# Altium PCB MB1272C.PcbDoc (part 1 of 10) (continued)
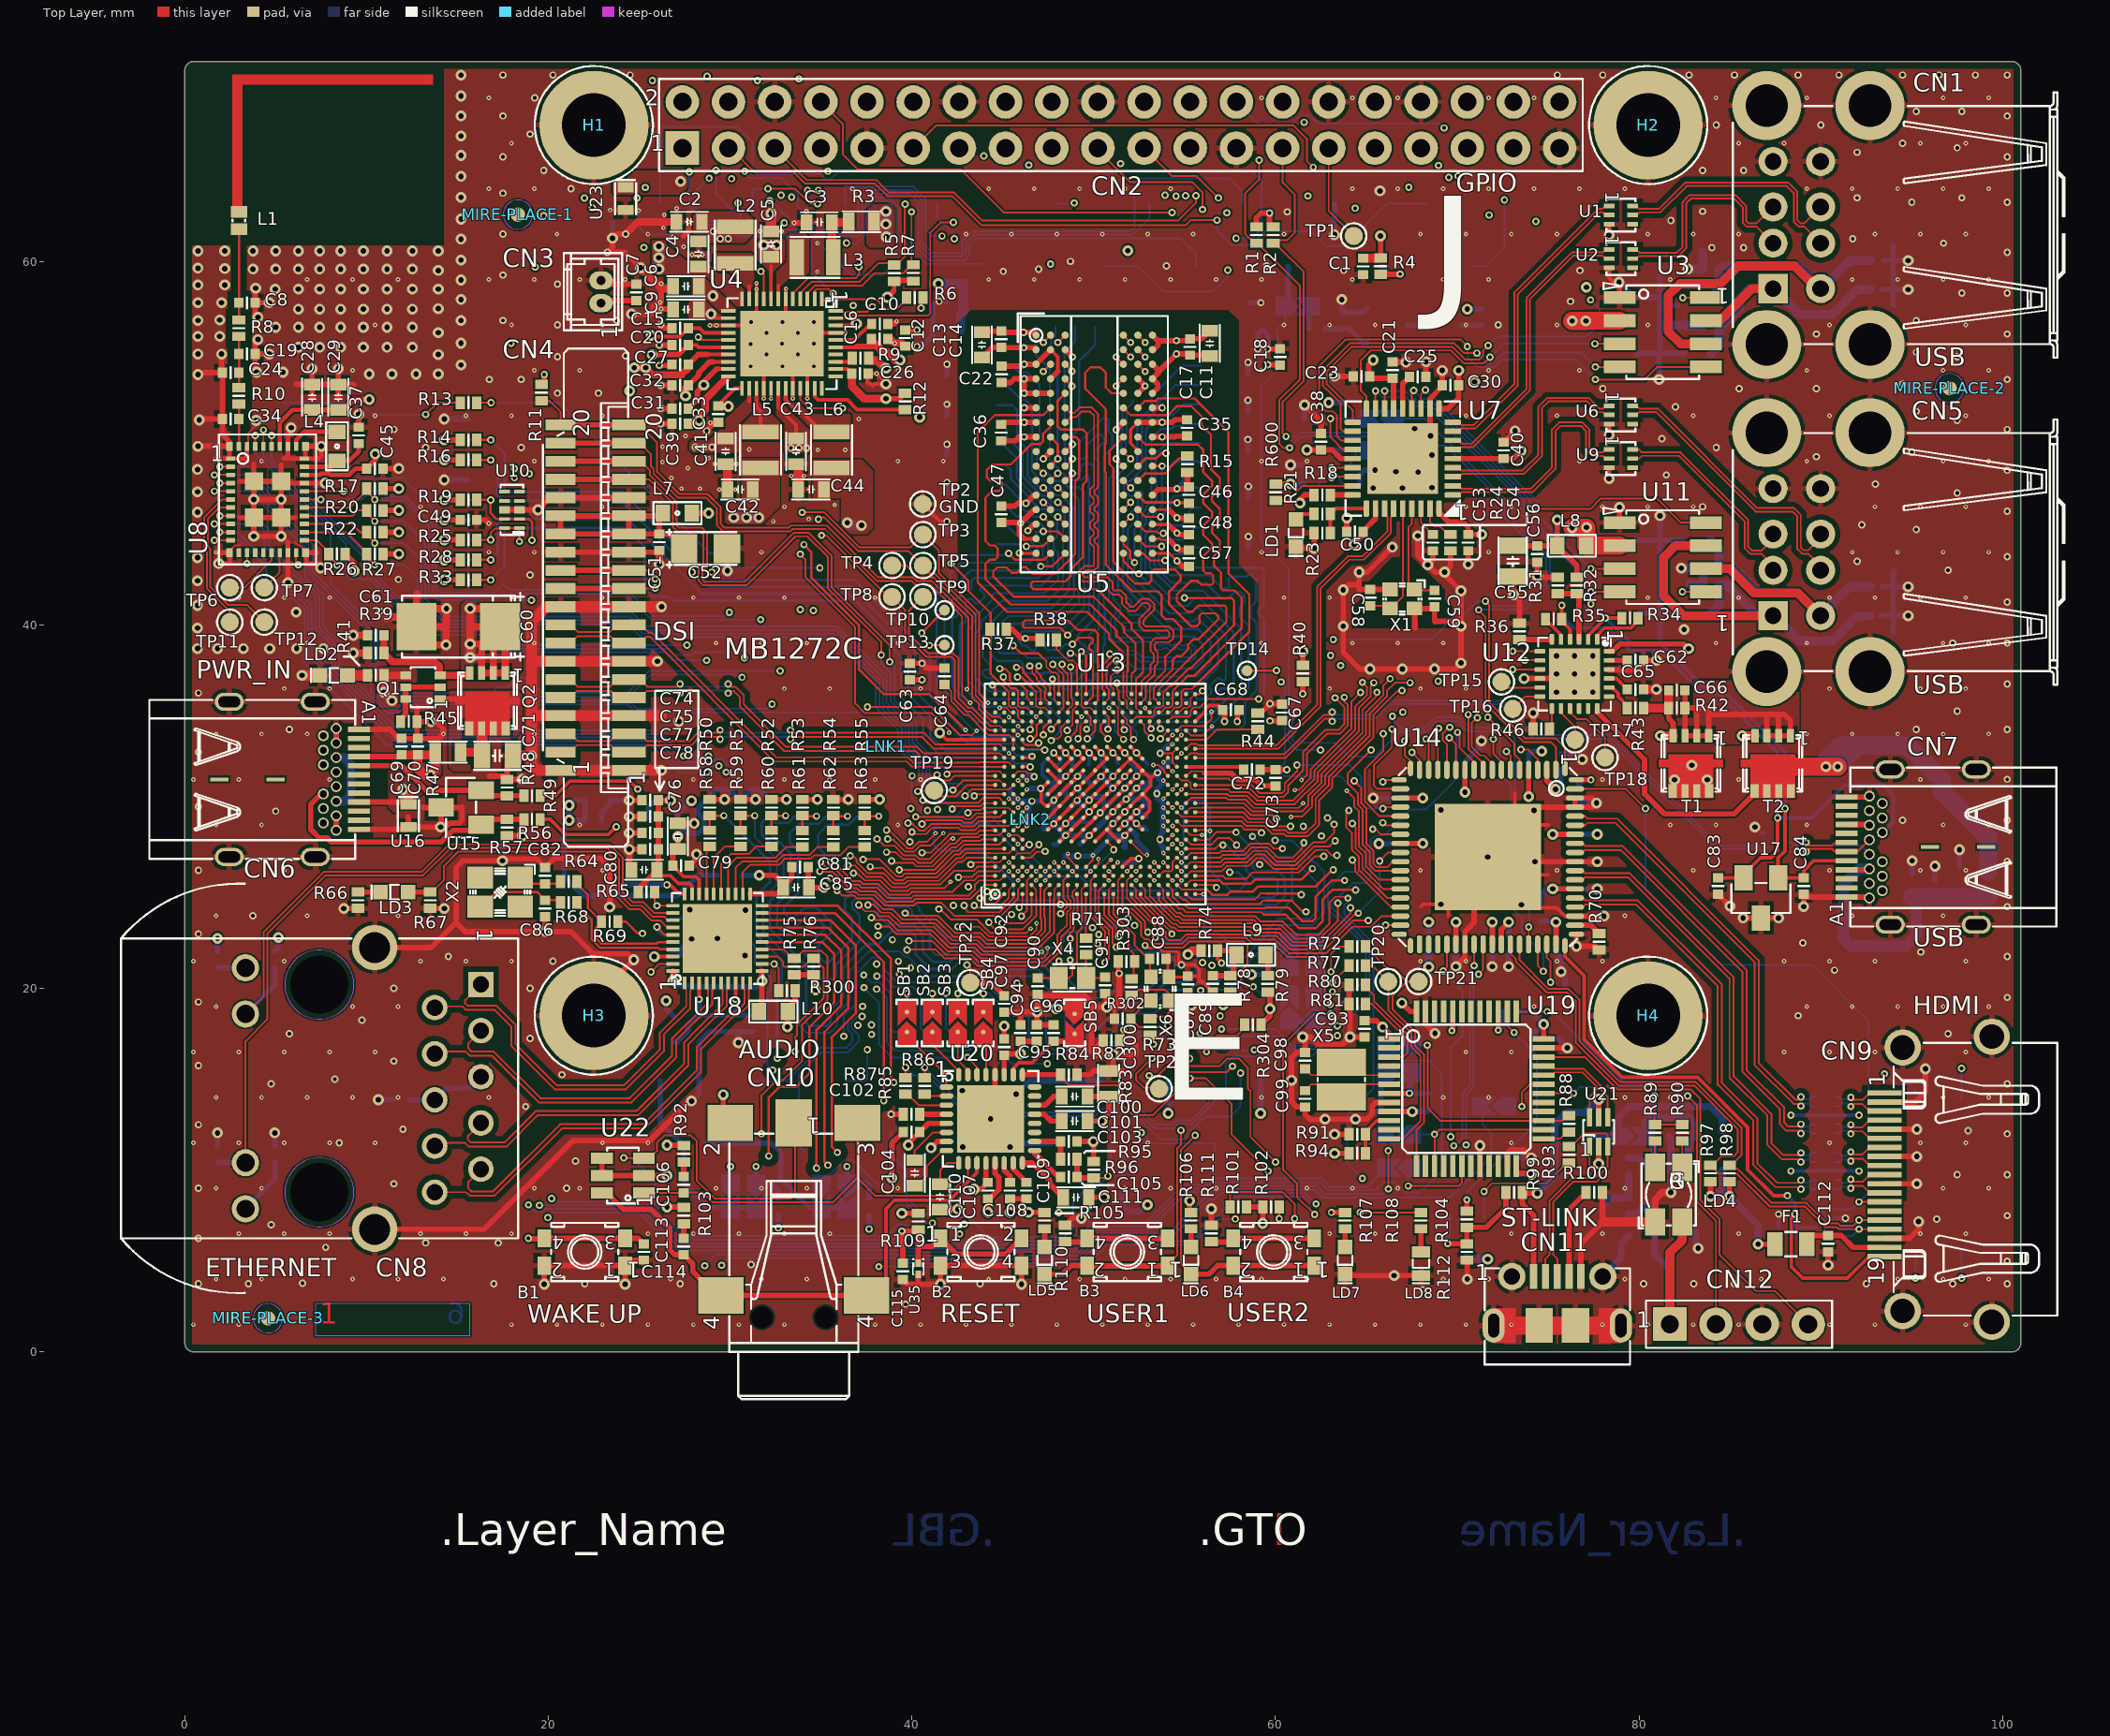
[diagram p0: Top Layer view]
## Design rules (kind name [scope] priority, off if disabled: settings) (continued)
RoutingVias RoutingVias_GND [InNetClass('NC_GND')] p2: holewidth=0.3 width=0.6 viastyle="Through Hole" minholewidth=0.2 minwidth=0.4 maxholewidth=0.3 maxwidth=0.6
RoutingVias RoutingVias_ALIMS [InNetClass('NC_ALIMS')] p3: holewidth=0.3 width=0.6 viastyle="Through Hole" minholewidth=0.2 minwidth=0.4 maxholewidth=0.3 maxwidth=0.6
RoutingVias [All] p4: holewidth=0.2 width=0.4 viastyle="Through Hole" minholewidth=0.2 minwidth=0.4 maxholewidth=0.2 maxwidth=0.4
SilkToSilkClearance [All] p1: silktosilkclearance=0
SilkToSolderMaskClearance [IsPad] p1: minsilkscreentomaskgap=0 clearancetoexposedcopper=TRUE
SolderMaskExpansion [All] p1: expansion=0.05
Width Width_BGA05 [InComponentClass('CC_BGA05')] p1: maxlimit=0.09 minlimit=0.09 preferedwidth=0.09
Width Width_GND [InNetClass('NC_GND')] p2: maxlimit=10 minlimit=0.09 preferedwidth=0.3
Width Width_ALIMS [InNetClass('NC_ALIMS')] p3: maxlimit=10 minlimit=0.09 preferedwidth=0.3
Width Width_SINGLE_55R_DDR [InNetClass('NC_SINGLE_55R_DDR')] p4: maxlimit=10 minlimit=0.09 preferedwidth=0.127 toplayer_prefwidth=0.12 midlayer1_prefwidth=0.12 midlayer3_prefwidth=0.12 midlayer4_prefwidth=0.12 bottomlayer_prefwidth=0.12 minimp=50.000000 maximp=50.000000 favimp=50.000000
Width Width_BUS_50R_SDMMC1_CK [InNetClass('NC_BUS_50R_SDMMC1_CK')] p5: maxlimit=0.13 minlimit=0.09 preferedwidth=0.13
Width Width_BUS_50R_SDMMC1 [InNetClass('NC_BUS_50R_SDMMC1')] p6: maxlimit=10 minlimit=0.09 preferedwidth=0.13
Width Width_ANTENNA_50R_WIFI [InNetClass('NC_ANTENNA_50R_WIFI')] p7: maxlimit=0.13 minlimit=0.13 preferedwidth=0.13
Width Width_BUS_50R_RGMII_ETH-TX [InNetClass('NC_BUS_50R_RGMII_ETH-TX')] p8: maxlimit=10 minlimit=0.09 preferedwidth=0.13
Width Width_BUS_50R_RGMII_ETH-RX [InNetClass('NC_BUS_50R_RGMII_ETH-RX')] p9: maxlimit=10 minlimit=0.09 preferedwidth=0.13
Width Width_BUS_50R_RGMII_ETH-CLK [InNetClass('NC_BUS_50R_RGMII_ETH-CLK')] p10: maxlimit=10 minlimit=0.09 preferedwidth=0.13
Width [All] p11: maxlimit=10 minlimit=0.09 preferedwidth=0.1
15 further rules are at their usual default settings.

## Classes and differential pairs
net class NC_SINGLE_55R_DDR: DDR_A0 DDR_A1 DDR_A2 DDR_A3 DDR_A4 DDR_A5 DDR_A6 DDR_A7 DDR_A8 DDR_A9 DDR_A10 DDR_A11 DDR_A12 DDR_A13 DDR_A14 DDR_BA0 DDR_BA1 DDR_BA2 DDR_CASN DDR_CKE DDR_CSN DDR_DQ0 DDR_DQ1 DDR_DQ2 DDR_DQ3 DDR_DQ4 DDR_DQ5 DDR_DQ6 DDR_DQ7 DDR_DQ8 DDR_DQ9 DDR_DQ10 DDR_DQ11 DDR_DQ12 DDR_DQ13 DDR_DQ14 DDR_DQ15 DDR_DQM0 DDR_DQM1 DDR_ODT DDR_RASN DDR_RESETN DDR_WEN
differential pair class DIFFPAIR_100R_DDR: DDR_CLK DDR_DQS0 DDR_DQS1
net class NC_DIFFPAIR_100R_DDR: DDR_CLK_N DDR_CLK_P DDR_DQS0_N DDR_DQS0_P DDR_DQS1_N DDR_DQS1_P
net class NC_ALIMS: 1V2_CVCC12 1V2_HDMI 1V05_AVDD_GMII 1V05_DVDD_GMII 1V05_GMII 1V8_AUDIO 3V3 3V3_AVDD_GMII 3V3_DVDD_GMII 3V3_HDMI 3V3_IOVCC 3V3_ST_LINK 5V 5V_USB_ST_LINK 5V_VIN NetC66_1 NetC66_2 NetR150_2 VDD VDD_CORE VDD_DDR VDD_USB VDDA VDDA_1V8 VREF+ VREF_DDR VTT_DDR
net class NC_GND: AGND GND
component class CC_BGA05: U13
differential pair class DIFFPAIR_100R_DSI: DSI_CK DSI_D0 DSI_D1
net class NC_DIFFPAIR_100R_DSI: DSI_CK_N DSI_CK_P DSI_D0_N DSI_D0_P DSI_D1_N DSI_D1_P
differential pair class DIFFPAIR_90R_USB: USB1 USB1CN25 USB2 USB2CN25 USB3CN26 USB4CN26 USB_DCONN USB_STLK USBDN1 USBDN2 USBDN3 USBDN4
net class NC_DIFFPAIR_90R_USB: USB1_N USB1_P USB1CN25_N USB1CN25_P USB2_N USB2_P USB2CN25_N USB2CN25_P USB3CN26_N USB3CN26_P USB4CN26_N USB4CN26_P USB_DCONN_N USB_DCONN_P USB_STLK_N USB_STLK_P USBDN1_N USBDN1_P USBDN2_N USBDN2_P USBDN3_N USBDN3_P USBDN4_N USBDN4_P
differential pair class DIFFPAIR_90R_USB_LENGTH: USB1CN25 USB2CN25 USB3CN26 USB4CN26 USBDN1 USBDN2 USBDN3 USBDN4
differential pair class DIFFPAIR_100R_HDMI-TX: TX0 TX0C TX1 TX1C TX2 TX2C TXC TXCC
net class NC_DIFFPAIR_100R_HDMI-TX: TX0_N TX0_P TX0C_N TX0C_P TX1_N TX1_P TX1C_N TX1C_P TX2_N TX2_P TX2C_N TX2C_P TXC_N TXC_P TXCC_N TXCC_P
net class NC_GROUP_LTDC: LTDC_B0 LTDC_B1 LTDC_B2 LTDC_B3 LTDC_B4 LTDC_B5 LTDC_B6 LTDC_B7 LTDC_CLK LTDC_DE LTDC_G0 LTDC_G1 LTDC_G2 LTDC_G3 LTDC_G4 LTDC_G5 LTDC_G6 LTDC_G7 LTDC_HSYNC LTDC_R0 LTDC_R1 LTDC_R2 LTDC_R3 LTDC_R4 LTDC_R5 LTDC_R6 LTDC_R7 LTDC_VSYNC
net class NC_GROUP_I2S2: I2S2_CK I2S2_SDO I2S2_WS
differential pair class DIFFPAIR_100R_HDMI-TX_LENGTH_1-2: TX0 TX1 TX2 TXC
differential pair class DIFFPAIR_100R_HDMI-TX_LENGTH_2-2: TX0C TX1C TX2C TXCC
net class NC_BUS_50R_SDMMC1: SDMMC1_D0 SDMMC1_D1 SDMMC1_D2 SDMMC1_D3
net class NC_BUS_50R_SDMMC1_CK: SDMMC1_CK
net class NC_BUS_50R_SDMMC1_ALL: SDMMC1_CK SDMMC1_D0 SDMMC1_D1 SDMMC1_D2 SDMMC1_D3
net class NC_BUS_50R_RGMII_ETH-TX: ETH_TXD0 ETH_TXD1 ETH_TXD2 ETH_TXD3
net class NC_BUS_50R_RGMII_ETH-RX: ETH_RXD0 ETH_RXD1 ETH_RXD2 ETH_RXD3
net class NC_BUS_50R_RGMII_ETH-CLK: ETH_CLK ETH_CLK125 ETH_GTX_CLK
net class NC_BUS_50R_RGMII_ETH-ALL: ETH_CLK ETH_CLK125 ETH_GTX_CLK ETH_RX_CLK ETH_RX_DV ETH_RXD0 ETH_RXD1 ETH_RXD2 ETH_RXD3 ETH_TX_EN ETH_TXD0 ETH_TXD1 ETH_TXD2 ETH_TXD3
net class NC_GROUP_I2C1: I2C1_SCL I2C1_SDA
net class NC_GROUP_I2C4: I2C4_SCL I2C4_SDA
net class NC_GROUP_USART2: USART2_CTS USART2_RTS USART2_RX USART2_TX
net class NC_GROUP_SAI2: SAI2_FSA SAI2_FSAM SAI2_MCLKA SAI2_SCKA SAI2_SCKAM SAI2_SDA SAI2_SDAM SAI2_SDB SAI2_SDBM
net class NC_GROUP_SDMMC2: SDMMC2_CK SDMMC2_CMD SDMMC2_D0 SDMMC2_D1 SDMMC2_D2 SDMMC2_D3
net class NC_GROUP_ETH-SIGNALS: ETH_MDC ETH_MDINT ETH_MDIO
differential pair class DIFFPAIR_100R_RGMII-RJ45: RJ45_D1 RJ45_D2 RJ45_D3 RJ45_D4
net class NC_DIFFPAIR_100R_RGMII-RJ45: RJ45_D1_N RJ45_D1_P RJ45_D2_N RJ45_D2_P RJ45_D3_N RJ45_D3_P RJ45_D4_N RJ45_D4_P
net class NC_ANTENNA_50R_WIFI: NetC8_2 NetC19_2 NetC34_2
differential pair CON_USB_STLK: +CON_USB_STLK_P -CON_USB_STLK_N
differential pair DDR_CLK: +DDR_CLK_P -DDR_CLK_N
differential pair USBDN4: +USBDN4_P -USBDN4_N
differential pair USBDN3: +USBDN3_P -USBDN3_N
differential pair USBDN2: +USBDN2_P -USBDN2_N
differential pair USBDN1: +USBDN1_P -USBDN1_N
differential pair USB_STLK: +USB_STLK_P -USB_STLK_N
differential pair USB_DCONN: +USB_DCONN_P -USB_DCONN_N
differential pair USB4CN26: +USB4CN26_P -USB4CN26_N
differential pair USB3CN26: +USB3CN26_P -USB3CN26_N
differential pair USB2CN25: +USB2CN25_P -USB2CN25_N
differential pair USB1CN25: +USB1CN25_P -USB1CN25_N
differential pair TXC: +TXC_P -TXC_N
differential pair TXCC: +TXCC_P -TXCC_N
differential pair TX2: +TX2_P -TX2_N
differential pair TX2C: +TX2C_P -TX2C_N
differential pair TX1: +TX1_P -TX1_N
differential pair TX1C: +TX1C_P -TX1C_N
differential pair TX0: +TX0_P -TX0_N
differential pair TX0C: +TX0C_P -TX0C_N
differential pair RJ45_D4: +RJ45_D4_P -RJ45_D4_N
differential pair RJ45_D3: +RJ45_D3_P -RJ45_D3_N
differential pair RJ45_D2: +RJ45_D2_P -RJ45_D2_N
differential pair RJ45_D1: +RJ45_D1_P -RJ45_D1_N
differential pair USB2: +USB2_P -USB2_N
differential pair USB1: +USB1_P -USB1_N
differential pair DSI_D1: +DSI_D1_P -DSI_D1_N
differential pair DSI_D0: +DSI_D0_P -DSI_D0_N
differential pair DSI_CK: +DSI_CK_P -DSI_CK_N
differential pair DDR_DQS1: +DDR_DQS1_P -DDR_DQS1_N
differential pair DDR_DQS0: +DDR_DQS0_P -DDR_DQS0_N

## Components (designator, comment, footprint, x,y, rotation, side; value= is the part's Value field where it differs from the comment)
B1 "" SWI_JIUBABA_C-TS-02H-2-5-B-V-T_R_BLUE 22,5.5 r180 top locked value=SW-PUSH-TS-02H-Blue
B2 "" SWI_JIUBABA_C-TS-02H-2-5-K-V-T_R_BLACK 43.8,5.5 r0 top locked value=SW-PUSH-TS-02H-Black
B3 "SW-PUSH-TS-02H-Blue" SWI_JIUBABA_C-TS-02H-2-5-B-V-T_R_BLUE 51.85,5.5 r180 top
B4 "SW-PUSH-TS-02H-Blue" SWI_JIUBABA_C-TS-02H-2-5-B-V-T_R_BLUE 59.9,5.5 r180 top locked
C1 "" C0402 64.825,59.725 r90 top value=100nF
C2 "" C0603 27.75,62.175 r0 top value=22uF
C3 "" C0603 34.9,62.15 r0 top value=22uF
C4 "" C0603 28.25,60.4 r270 top value=10uF
C5 "" C0603 32.25,60.95 r270 top value=10uF
C6 "" C0603 27.575,58.625 r0 top value=10uF
C7 "" C0402 24.85,58.3 r270 top value=100nF
C8 "Capacitor" C0402 3.425,57.725 r180 top value=12pF
C9 "" C0603 27.575,57.35 r0 top value=10uF
C10 "Capacitor" C0402 38.234,56.562 r0 top value=4.7uF
C11 "Capacitor" C0603 56.39,55.48 r270 top value=10uF
C12 "Capacitor" C0402 39.62,55.78 r90 top value=100nF
C13 "Capacitor" C0603 43.85,55.41 r90 top value=10uF
C14 "" C0402 44.92,55.71 r270 top value=100nF
C15 "" C0402 27.25,56.325 r0 top value=1uF
C16 "Capacitor" C0402 38.225,55.725 r180 top value=4.7uF
C17 "" C0402 55.3,55.29 r90 top value=100nF
C18 "Capacitor" C0402 60.25,54.74 r270 top value=100nF
C19 "Capacitor" C0402 3.425,54.9 r180 top value=12pF
C20 "Capacitor" C0402 27.25,55.4 r0 top value=4.7uF
C21 "Capacitor" C0402 66.45,54.025 r270 top value=100nF
C22 "" C0402 44.94,53.79 r270 top value=100nF
C23 "Capacitor" C0402 64.725,53.675 r0 top value=4.7uF
C24 "Capacitor" C0402 2.525,53.875 r0 top value=12pF
C25 "Capacitor" C0402 67.825,53.65 r180 top value=100nF
C26 "Capacitor" C0402 37.15,53.825 r180 top value=4.7uF
C27 "" C0402 27.25,54.325 r0 top value=1uF
C28 "Capacitor" C0603 7,52.525 r270 top value=2.2uF
C29 "Capacitor" C0603 8.45,52.525 r270 top value=10uF
C30 "Capacitor" C0402 69.625,53.175 r0 top value=100nF
C31 "Capacitor" C0402 27.25,51.9 r0 top value=4.7uF
C32 "Capacitor" C0402 27.25,53.175 r0 top value=4.7uF
C33 "Capacitor" C0402 29.35,51.6 r90 top value=4.7uF
C34 "Capacitor" C0402 2.525,51.325 r0 top value=12pF
C35 "" C0402 55.14,50.84 r90 top value=100nF
C36 "" C0402 44.91,50.58 r90 top value=100nF
C37 "Capacitor" C0402 9.575,50.425 r270 top value=4.7uF
C38 "Capacitor" C0402 62.5,50.075 r270 top value=100nF
C39 "" C0402 27.25,51.075 r0 top value=1uF
C40 "Capacitor" C0402 72.55,49.6 r270 top value=100nF
C41 "" C0603 29.75,49.55 r90 top value=10uF
C42 "" C0603 30.55,47.45 r0 top value=22uF
C43 "" C0603 33.625,49.55 r90 top value=10uF
C44 "" C0603 34.45,47.45 r0 top value=22uF
C45 "" C0402 10.45,48.6 r180 top value=100nF
C46 "" C0402 55.23,47.15 r90 top value=100nF
C47 "" C0402 44.92,46.08 r90 top value=100nF
C48 "" C0402 55.23,45.41 r270 top value=100nF
C49 "Capacitor" C0402 15.6,45.775 r180 top value=4.7uF
C50 "Capacitor" C0402 64.375,45.125 r0 top value=100nF
C51 "" C0402 26.1,44.55 r90 top value=100nF
C52 "" CPOL_TAJ-A_1206_H180 28.65,44.2 r0 top value=10uF
C53 "Capacitor" C0402 68.65,44.525 r90 top value=100nF
C54 "Capacitor" C0402 70.6,44.525 r90 top value=100nF
C55 "Capacitor" C0805 73.05,43.5 r90 top value=47uF
C56 "Capacitor" C0402 74.4,43.9 r90 top value=100nF
C57 "" C0402 55.23,43.67 r270 top value=100nF
C58 "Capacitor" C0402 65.2,41.5 r270 top value=6.8pF
C59 "Capacitor" C0402 68.75,41.45 r90 top value=6.8pF
C60 "Cap_POL_TANA" CPOL_TAJ-C_2312_H2P6 15.05,39.9 r180 top value=47uF
C61 "" C0402 10.5,39.425 r180 top value=100nF
C62 "Capacitor" C0402 79.8,38.05 r180 top value=1uF
C63 "Capacitor" C0402 39.88,37.43 r270 top value=100nF
C64 "" C0402 41.79,37.165 r270 top value=1uF
C65 "Capacitor" C0402 79.8,36.45 r180 top value=1uF
C66 "Capacitor" C0402 82.075,36.4 r0 top value=100nF
C67 "Capacitor" C0402 60.36,35.18 r270 top value=100nF
C68 "" C0402 57.55,35.32 r180 top value=100nF
C69 "Capacitor" C0402 11.925,33.3 r270 top value=100pF
C70 "" C0402 12.825,33.3 r90 top value=100nF
C71 "Capacitor" C0805 17.2,32.8 r180 top value=10uF
C72 "" C0402 58.705,32.04 r180 top value=1uF
C73 "" C0402 60.005,31.59 r270 top value=1uF
C74 "" C0402 25.6,30.35 r0 top value=100nF
C75 "" C0402 25.6,29.45 r0 top value=100nF
C76 "" C0603 27.125,28.375 r90 top value=22uF
C77 "" C0402 25.6,28.55 r0 top value=100nF
C78 "" C0402 25.6,27.65 r0 top value=100nF
C79 "" C0402 27.3,26.75 r180 top value=100nF
C80 "" C0603 25.275,26.525 r0 top value=22uF
C81 "" C0402 33.85,26.675 r180 top value=100nF
C82 "" C0402 19.825,26.2 r270 top value=10pF
C83 "Capacitor" C0402 84.35,25.625 r90 top value=470pF
C84 "Capacitor" C0402 89.05,25.625 r90 top value=470pF
C85 "" C0603 33.625,25.55 r180 top value=22uF
C86 "" C0402 19.825,24.4 r90 top value=10pF
C87 "Capacitor" C0402 55.175,20.225 r90 top value=6.8pF
C88 "Capacitor" C0402 53.525,21.625 r180 top value=6.8pF
C89 "" C0402 56.55,20.25 r90 top value=1uF
C90 "Capacitor" C0402 46.925,20.125 r270 top value=6.8pF
C91 "Capacitor" C0402 50.625,20.175 r270 top value=6.8pF
C92 "Capacitor" C0402 45.075,19.15 r90 top value=10nF
C93 "" C0402 64.9,17.775 r90 top value=100nF
C94 "" C0402 45.975,17.55 r270 top value=1uF
C95 "" C0402 46.875,17.55 r270 top value=100nF
C96 "" C0402 47.8,17.55 r90 top value=100nF
C97 "" C0402 45.075,16.775 r270 top value=100nF
C98 "" C0402 61.625,16.025 r90 top value=10pF
C99 "" C0402 61.625,13.925 r270 top value=10pF
C100 "" C0603 48.95,14.05 r180 top value=150pF
C101 "" C0603 48.95,12.7 r180 top value=150pF
C102 "" C0402 39.975,12.1 r0 top value=1uF
C103 "" C0402 48.625,11.575 r180 top value=100nF
C104 "" C0603 40.15,9.85 r90 top value=1uF
C105 "" C0402 48.625,9.625 r180 top value=1uF
C106 "" C0402 27.45,9.2 r270 top value=22nF
C107 "" C0402 44.175,8.875 r90 top value=100nF
C108 "" C0402 45.4,8.875 r90 top value=1uF
C109 "" C0402 46.3,8.875 r90 top value=1uF
C110 "" C0603 41.55,8.525 r90 top value=1uF
C111 "" C0603 49.025,8.5 r180 top value=10uF
C112 "" C0402 90.4,5.95 r90 top value=1uF
C113 "" C0402 27.45,5.8 r270 top value=22nF
C114 "" C0402 25.25,5.5 r90 top value=10nF
C115 "Capacitor" C0402 39.5,4.425 r90 top value=10nF
C117 "Capacitor" C0402 83.95,59.575 r0 bottom value=100nF
C118 "Capacitor" C1206_H1P6 82.55,58.025 r0 bottom value=220uF
C119 "" C0402 58.125,57.75 r0 bottom value=100nF
C120 "" C0402 42.375,57.75 r180 bottom value=100nF
C121 "" C0603 58.41,56.26 r180 bottom value=22uF
C122 "" C0603 41.975,56.2 r0 bottom value=22uF
C123 "Capacitor" C0402 83.95,56.475 r0 bottom value=100nF
C124 "Capacitor" C1206_H1P6 82.55,54.925 r0 bottom value=220uF
C125 "" C0402 58.02,53.83 r0 bottom value=100nF
C126 "" C0402 42.36,53.72 r180 bottom value=100nF
C127 "" C0402 58.02,51.74 r0 bottom value=100nF
C128 "" C0402 42.36,51.51 r180 bottom value=100nF
C129 "" C0402 58.02,49.59 r0 bottom value=100nF
C130 "" C0402 42.36,49.3 r180 bottom value=100nF
C131 "" C0402 42.36,47.2 r180 bottom value=100nF
C132 "" C0402 58.02,47.01 r0 bottom value=100nF
C133 "Capacitor" C1206_H1P6 82.55,44.65 r0 bottom value=220uF
C134 "" C0402 42.36,45.08 r180 bottom value=100nF
C135 "" C0402 58.02,44.24 r0 bottom value=100nF
C136 "Capacitor" C0402 83.95,43.1 r0 bottom value=100nF
C137 "Capacitor" C0402 83.95,42.2 r0 bottom value=100nF
C138 "Capacitor" C1206_H1P6 82.55,40.65 r0 bottom value=220uF
C139 "" C0402 54.255,32.94 r90 bottom value=100nF
C140 "" C0402 75.7,32.475 r270 bottom value=100nF
C141 "" C0402 73.925,32.025 r270 bottom value=100nF
C142 "" C0402 70.425,32.025 r270 bottom value=100nF
C143 "" C0402 52.49,32.33 r0 bottom value=1uF
C144 "" C0402 50.87,32.33 r0 bottom value=1nF
C145 "" C0402 49.25,32.31 r0 bottom value=1nF
C146 "" C0402 47.62,32.31 r0 bottom value=1uF
C147 "" C0402 53.35,31.275 r180 bottom value=1uF
C148 "" C0402 48.13,31.015 r315 bottom value=1uF
C149 "" C0402 45.65,31.275 r45 bottom value=100nF
C150 "" C0402 50.243,30.852 r135 bottom value=1uF
C151 "" C0603 22.725,30.375 r180 bottom value=22uF
C152 "" C0402 53.35,30.175 r180 bottom value=1uF
C153 "" C0402 46.8,29.525 r0 bottom value=1uF
C154 "" C0402 66.875,30.475 r0 bottom value=100nF
C155 "" C0402 48.943,29.552 r135 bottom value=1uF
C156 "" C0402 46.8,28.7 r0 bottom value=1uF
C157 "" C0402 22.475,29.25 r180 bottom value=100nF
C158 "" C0402 53.35,29.45 r180 bottom value=1uF
C159 "" C0402 50.568,28.577 r135 bottom value=1uF
C160 "" C0402 76.475,28.475 r180 bottom value=100nF
C161 "" C0402 53.35,28.725 r180 bottom value=1uF
C162 "" C0402 49.6,27.7 r135 bottom value=1uF
C163 "" C0402 48.13,27.603 r135 bottom value=1uF
C164 "" C0402 66.875,27.975 r0 bottom value=100nF
C165 "" C0402 51.75,27.35 r270 bottom value=1uF
C166 "Capacitor" C0805 97.625,25.875 r270 bottom value=10uF
C167 "Capacitor" C0402 96.275,25.475 r270 bottom value=100pF
C168 "" C0402 76.475,25.475 r180 bottom value=100nF
C169 "" C0402 75.425,22.425 r90 bottom value=100nF
C170 "" C0402 72.825,22.425 r90 bottom value=100nF
C171 "" C0402 71.925,22.425 r90 bottom value=100nF
C172 "" C0402 69.925,22.425 r90 bottom value=100nF
C173 "" C0603 27.9,20.85 r270 bottom value=22uF
C174 "" C0402 30.825,20.525 r270 bottom value=100nF
C175 "" C0402 29.925,20.525 r270 bottom value=100nF
C176 "" C0402 29.025,20.525 r270 bottom value=100nF
C177 "" C0402 31.225,18.075 r90 bottom value=100nF
C178 "" C0402 30.325,18.075 r90 bottom value=100nF
C179 "" C0402 29.425,18.075 r90 bottom value=100nF
C180 "" C0603 28.3,17.75 r90 bottom value=22uF
C181 "" C0402 74.75,17.225 r180 bottom value=100nF
C182 "" C0402 66.25,14.225 r0 bottom value=100nF
C183 "" C0402 11.95,13.875 r0 bottom value=100nF
C184 "" C0402 66.25,13.225 r0 bottom value=100nF
C185 "" C0603 82.35,11.85 r180 bottom value=1uF
C186 "" C0402 73.25,10.225 r270 bottom value=100nF
C187 "" C0402 79.425,10.225 r90 bottom value=100nF
C188 "" C0402 79.425,8.025 r270 bottom value=100nF
C189 "" C0402 82.675,6.625 r180 bottom value=10nF
C190 "" C0603 80.15,6.4 r0 bottom value=1uF
C191 "" C0402 53.45,27.65 r180 bottom value=1uF (schematic designator C1600)
C192 "" C0402 46.23,30.69 r45 bottom value=1uF (schematic designator C1620)
C300 "Capacitor" C0402 51.6,18.325 r0 top value=10nF
CN1 "USB_DUAL_TYPEA_5600-3081" CON_DUAL-USB-TYPE-A_CONEXCON_5600-3081 103,62 r90 top locked value="Dual USB Type A"
CN2 "" CON_SAMTEC_TSW-120-07-G-D 51.5,67.5 r0 top locked value="Header 20x2"
CN3 "" CON_MOLEX_53047-0210 22.9,58.325 r90 top locked value=53047-0210
CN4 "" CON_TE-CONNECTIVITY_2-1734248-0 22.5,41.5 r270 top locked value=2-1734248-0
CN5 "USB_DUAL_TYPEA_5600-3081" CON_DUAL-USB-TYPE-A_CONEXCON_5600-3081 103,44 r90 top locked value="Dual USB Type A"
CN6 "" CON_USB-TYPEC_COXOC_317JD24BZTF3K3C3 -1,31.5 r270 top locked value=317JD24BZTF3K3C3
CN7 "" CON_USB-TYPEC_COXOC_317JD24BZTF3K3C3 102,27.775 r90 top locked value=317JD24BZTF3K3C3
CN8 "​New part for use of led pulled down on pin 13/14 , schematic more lisible." CON_RJ45_YD_48F-01GYDXNL_LED-P 0,14.5 r270 top locked value=48F-01GYDXNL
CN9 "" CON_HDMI_FCI-AMPHENOL_10029449-001RLF 102,9.5 r90 top locked value=10029449-001RLF
CN10 "" CON_JACK-3P5-SMT_LUMBERG_1503-13-VP3 33.5,-2.6 r90 top locked value="1503 13 VP3"
CN11 "" CON_USBMICROB_MOLEX_105017-0001_H2P90 75.5,0 r0 top locked value=USB_uB_105017-0001
CN12 "" CON_SAMTEC_TSW-104-07-G-S 85.5,1.525 r0 top locked value="Header 4x1"
CN13 "" CON_SAMTEC_SSW-110-22-X-S-VS 59.434,61.45 r180 bottom locked value="Socket 10x1"
CN14 "" CON_SAMTEC_SSW-108-22-X-S-VS 35.05,61.45 r180 bottom locked value="Socket 8x1"
CN15 "" CON_MICROSD_YAMAICHI_PJS008-2003-0 0,45 r180 bottom locked value=PJS008-2003-1
CN16 "" CON_SAMTEC_SSW-108-22-X-S-VS 52.83,13.19 r0 bottom locked value="Socket 8x1"
CN17 "" CON_SAMTEC_SSW-106-22-X-S-VS 32.51,13.19 r0 bottom locked value="Socket 6x1"
D1 "" DIO_SOD323 84.575,11.075 r90 bottom value=BAT60JFILM
D2 "" DIO_SOD323 76.425,11.875 r0 bottom value=BAT60JFILM
F1 "​f" R0805 88.35,5.925 r0 top value=picoSMDC035S
H1 "" PTH_M1261-3005-N_3P5X6_M3_H14 22.5,67.5 r0 top locked
H2 "" PTH_M1261-3005-N_3P5X6_M3_H14 80.5,67.5 r0 top locked
H3 "" PTH_M1261-3005-N_3P5X6_M3_H14 22.5,18.5 r0 top locked
H4 "" PTH_M1261-3005-N_3P5X6_M3_H14 80.5,18.5 r0 top locked
L1 "Inductor" IND_0402_MURATA_LQW15AN2N4C00X 2.975,62.25 r90 top value=LQW15AN2N4C00x
L2 "IND_1uH_42mohm_3.2A" IND_2520_TOKO_DFE252012P 30.275,60.9 r90 top value=1µH
L3 "IND_1uH_42mohm_3.2A" IND_2520_TOKO_DFE252012P 34.675,60.225 r0 top value=1µH
L4 "Inductor" L0603 8.375,49.825 r270 top value=LQM18PN2R2MGH
L5 "IND_1uH_42mohm_3.2A" IND_2520_TOKO_DFE252012P 31.675,49.625 r270 top value=1µH
L6 "IND_1uH_42mohm_3.2A" IND_2520_TOKO_DFE252012P 35.575,49.625 r270 top value=1µH
L7 "BEAD" L0603 27.1,46.15 r180 top value=30R@100MHz
L8 "BEAD" FIL_0603_H0P65 76.3,44.35 r0 top value=26ohm
L9 "LQM18FN4R7M00D" L0603 58.65,21.85 r180 top
L10 "" FIL_0603_H0P65 32.375,18.725 r0 top value=100R@100MHz
L11 "" FIL_0603_H0P65 26.3,29.4 r0 bottom value=100R@100MHz
LD1 "LED_red" LED_0603_RED 61.125,45.05 r270 top value=RED
LD2 "" LED_0603_GREEN 8.2,37.225 r180 top value=GREEN
LD3 "" LED_0603_GREEN 11.525,25.3 r180 top value=GREEN
LD4 "" LED_BI-GR_HSMF-A201-A00J1 81.625,8.65 r0 top value=LD_BICOLOR_CMS
LD5 "" LED_0603_GREEN 47.3,5.025 r270 top value=GREEN
LD6 "" LED_0603_RED 55.35,5.025 r270 top value=RED
LD7 "LED_orange" LED_0603_ORANGE_H0P4 63.825,5.025 r270 top value=ORANGE
LD8 "​reference from jiubaba" LED_0603_SMD-B_BLUE_H0P4 68,4.85 r270 top value=BLUE
LD9 "" LED_0603_GREEN 69.475,56.475 r180 bottom value=GREEN
LE1 "" L1210_LQH 21.975,27 r180 bottom value="4.7uH 1A 180R"
LNK1 "link_200" LINK200#1 38.575,33.3 r180 top
LNK2 "link_200" LINK200#2 46.512,29.3 r270 top
MIRE-PLACE-1 "MIRE-PLACE-1" MIRE_PLACE_SMD_0P8MM 18.325,62.575 r0 top
MIRE-PLACE-2 "MIRE-PLACE-2" MIRE_PLACE_SMD_0P8MM 97.075,53.025 r0 top
MIRE-PLACE-3 "MIRE-PLACE-3" MIRE_PLACE_SMD_0P8MM 4.575,1.85 r0 top
MIRE-PLACE-4 "MIRE-PLACE-4" MIRE_PLACE_SMD_0P8MM 99.05,68.225 r180 bottom
MIRE-PLACE-5 "MIRE-PLACE-5" MIRE_PLACE_SMD_0P8MM 18.15,60.4 r180 bottom
MIRE-PLACE-6 "MIRE-PLACE-6" MIRE_PLACE_SMD_0P8MM 2.05,1.875 r180 bottom
Q1 "" DIO_SOT363 13.1,36.575 r90 top value=BCM857BS7F
Q2 "" MOS_POWERFLAT_3P3X3P3_P065 16.65,35.825 r180 top value=STL9P3LLH6
R1 "" R0402 58.95,61.45 r270 top value=1K5
R2 "" R0402 59.875,61.45 r270 top value=1K5
R3 "" R0603 37.225,62.175 r0 top value=0R_0603_ULO
R4 "" R0402 65.784,59.736 r90 top value=0R
R5 "" R0402 39.025,59.35 r90 top value=1K5
R6 "" R0402 40.15,58 r180 top value=0R
R7 "" R0402 40.074,59.363 r90 top value=1K5
R8 "Resistor" R0402 2.975,56.325 r270 top value=0R
R9 "" R0402 37.175,54.675 r180 top value=0R
R10 "Resistor" R0402 2.975,52.6 r270 top value=0R
R11 "" R0402 19.625,52.775 r270 top value=10K
R12 "Resistor" R0402 39.625,52.3 r90 top value=47K
R13 "" R0402 15.6,52.225 r180 top value=0R
R14 "" R0402 15.6,50.175 r180 top value=47K
R15 "" R0402 55.155,48.84 r90 top value=240R
R16 "" R0402 15.6,49.075 r180 top value=47K
R17 "Resistor" R0402 10.45,47.5 r180 top value=47K
R18 "Resistor" R0402 62.575,47.15 r180 top value=10K
R19 "" R0402 15.6,46.875 r180 top value=10K
R20 "Resistor" R0402 10.45,46.3 r180 top value=47K
R21 "Resistor" R0402 62.575,46.1 r0 top value=1K
R22 "Resistor" R0402 10.45,45.1 r180 top value=47K
R23 "Resistor" R0402 62.575,45.05 r0 top value=100K
R24 "Resistor" R0402 69.625,44.525 r90 top value=12K
R25 "" R0402 15.6,44.675 r180 top value=47K
R26 "Resistor" R0402 8.375,43.9 r180 top value=47K
R27 "Resistor" R0402 10.45,43.9 r180 top value=47K
R28 "" R0402 15.6,43.575 r180 top value=47K
R31 "Resistor" R0402 75.525,42.175 r270 top value=0R
R32 "Resistor" R0402 76.575,42.175 r90 top value=0R
R33 "" R0402 15.6,42.475 r180 top value=47K
R34 "Resistor" R0402 79.5,40.375 r180 top value=0R
R35 "Resistor" R0402 75.3,40.325 r0 top value=0R
R36 "Resistor" R0402 73.425,39.65 r270 top value=0R
R37 "Resistor" R0402 44.74,39.76 r180 top value=10K
R38 "" R0402 47.5,39.17 r180 top value=240R
R39 "Resistor" R0402 10.5,38.45 r0 top value=47K
R40 "Resistor" R0402 61.5,37.325 r270 top value=10K
R41 "" R0402 10.5,37.225 r0 top value=330R
R42 "Resistor" R0402 82.075,35.425 r0 top value=10K
R43 "Resistor" R0402 79.8,35.425 r180 top value=1K
R44 "" R0402 59.025,34.7 r270 top value=3K
R45 "Resistor" R0402 12.325,34.675 r180 top value=47K
R46 "Resistor" R0402 74.625,34.275 r0 top value=0R
R47 "" R0603 14.475,33 r0 top value=0R_0603_ULO
R48 "Resistor" R0402 17.725,31.05 r270 top value=5K1
R49 "Resistor" R0402 19.1,30.6 r0 top value=47K
R50 "" R0402 28.875,29.95 r270 top value=4K7
R51 "" R0402 30.575,29.95 r270 top value=4K7
R52 "" R0402 32.275,29.95 r90 top value=4K7
R53 "" R0402 33.975,29.95 r90 top value=4K7
R54 "" R0402 35.675,29.95 r270 top value=4K7
R55 "" R0402 37.4,29.95 r90 top value=4K7
R56 "Resistor" R0402 19.1,29.3 r0 top value=47K
R57 "Resistor" R0402 17.725,28.85 r90 top value=5K1
R58 "" R0402 28.875,28.25 r270 top value=0R
R59 "" R0402 30.575,28.25 r270 top value=0R
R60 "" R0402 32.275,28.25 r270 top value=22R
R61 "" R0402 33.975,28.225 r270 top value=22R
R62 "" R0402 35.675,28.225 r270 top value=22R
R63 "" R0402 37.4,28.225 r270 top value=22R
R64 "" R0402 21.125,25.875 r0 top value=0R
R65 "" R0402 25.4,25.3 r180 top value=1K5
R66 "" R0402 9.525,24.85 r90 top value=510R
R67 "" R0402 13.5,24.85 r90 top value=4K7
R68 "" R0402 21.125,24.725 r0 top value=0R
R69 "" R0402 23.375,23.675 r0 top value=22R
R70 "" R0402 77.8,22.575 r270 top value=5K1
R71 "" R0402 49.575,22.3 r270 top value=0R
R72 "" R0402 64.5,22.3 r0 top value=0R
R73 "" R0402 52.075,20.075 r90 top value=0R
R74 "" R0402 56.35,22.075 r180 top value=0R
R75 "" R0402 33.525,21.2 r270 top value=1K5
R76 "" R0402 34.6,21.2 r270 top value=1K5
R77 "" R0402 64.5,21.25 r180 top value=0R
R78 "" R0402 57.525,20.25 r90 top value=0R
R79 "" R0402 59.575,20.25 r90 top value=0R
R80 "" R0402 64.5,20.2 r0 top value=10K
R81 "" R0402 64.5,19.15 r180 top value=10K
R82 "Resistor" R0402 50.975,17.125 r0 top value=1K
R83 "" R0603 50.825,14.75 r90 top value=0R
R84 "" R0402 48.625,15.25 r180 top value=10K
R85 "" R0402 39.65,14.625 r90 top value=0R
R86 "" R0402 40.7,14.625 r90 top value=0R
R87 "" R0402 39.975,13.075 r180 top value=10K
R88 "" R0402 76.15,12.55 r270 top value=100R
R89 "" R0402 80.875,12.05 r90 top value=330R
R90 "" R0402 82.375,12.05 r90 top value=330R
R91 "" R0402 64.5,11.975 r0 top value=4K7
R92 "" R0402 27.45,10.9 r270 top value=51R
R93 "" R0402 76.15,10.85 r270 top value=1K5
R94 "" R0402 64.5,10.925 r0 top value=4K7
R95 "" R0402 48.625,10.6 r180 top value=2K2
R96 "" R0402 50,10.025 r270 top value=10K
R97 "" R0402 83.925,9.825 r270 top value=2K2
R98 "" R0402 84.975,9.825 r270 top value=2K2
R99 "" R0402 73.125,8.775 r180 top value=10K
R100 "" R0402 77.525,8.775 r180 top value=100K
R101 "" R0402 57.95,7.975 r0 top value=1K
R102 "" R0402 59.75,7.975 r180 top value=1K
R103 "" R0402 27.45,7.5 r270 top value=51R
R104 "" R0402 70.525,7.3 r90 top value=100R
R105 "" R0402 47.3,7.225 r90 top value=330R
R106 "" R0402 55.35,7.225 r90 top value=1K
R107 "Resistor" R0402 63.825,7.225 r270 top value=680R
R108 "Resistor" R0402 68,7.225 r270 top value=680R
R109 "" R0402 40.35,7.175 r90 top value=10K
R110 "" R0402 48.425,6.525 r90 top value=100R
R111 "" R0402 56.475,6.525 r90 top value=100R
R112 "" R0402 70.525,5.5 r90 top value=36K
R114 "" R0402 71.35,56.925 r90 bottom value=510R
R115 "" R0402 50.06,56.86 r90 bottom value=56R
R116 "" R0402 48.97,56.86 r90 bottom value=56R
R117 "" R0402 47.9,56.86 r90 bottom value=56R
R118 "" R0402 46.82,56.86 r90 bottom value=56R
R119 "" R0402 63.65,56.75 r270 bottom value=100K
R120 "" R0402 62.275,56.3 r0 bottom value=47K
R121 "" R0402 56.31,54.26 r0 bottom value=56R
R122 "" R0402 44.23,54.22 r180 bottom value=56R
R123 "" R0402 56.31,53.19 r0 bottom value=56R
R124 "" R0402 44.23,53.15 r180 bottom value=56R
R125 "Resistor" R0402 51.69,52.36 r180 bottom value=100R
R126 "" R0402 56.31,52.13 r0 bottom value=56R
R127 "Resistor" R0402 63.825,51.8 r90 bottom value=100K
R128 "" R0402 44.23,52.06 r180 bottom value=56R
R129 "Resistor" R0402 62,51.35 r0 bottom value=100K
R130 "" R0402 56.31,51.06 r0 bottom value=56R
R131 "" R0402 44.23,50.96 r180 bottom value=56R
R132 "" R0402 56.31,49.99 r0 bottom value=56R
R133 "" R0402 44.23,49.88 r180 bottom value=56R
R134 "Resistor" R0402 63.825,49.175 r90 bottom value=100K
R135 "" R0402 56.31,48.91 r0 bottom value=56R
R136 "Resistor" R0402 55.01,48.54 r90 bottom value=10K
R137 "Resistor" R0402 62,48.8 r0 bottom value=100K
R138 "" R0402 44.23,48.79 r180 bottom value=56R
R139 "Resistor" R0402 64.175,47.75 r180 bottom value=100K
R140 "Resistor" R0402 62,47.75 r180 bottom value=100K
R141 "" R0402 44.23,47.71 r180 bottom value=56R
R142 "" R0402 56.31,47.54 r0 bottom value=56R
R143 "" R0402 44.23,46.65 r180 bottom value=56R
R144 "" R0402 56.31,46.44 r0 bottom value=56R
R145 "" R0402 44.23,45.57 r180 bottom value=56R
R146 "" R0402 56.31,45.35 r0 bottom value=56R
R147 "" R0402 44.23,44.49 r180 bottom value=56R
R148 "" R0402 56.31,44.27 r0 bottom value=56R
R149 "" R0402 76.65,30.725 r90 bottom value=4K7
R150 "Resistor" R0603 99.225,25.725 r90 bottom value=0R_0603_ULO
R151 "" R0603 29.975,26.225 r180 bottom value=0R
R152 "" R0402 74.6,24.15 r90 bottom value=0R
R153 "" R0402 26.7,23.4 r270 bottom value=22R
R154 "" R0402 68.425,22.425 r270 bottom value=0R
R155 "" R0402 26.7,21.625 r90 bottom value=2K49
R156 "" R0402 4.95,21.575 r270 bottom value=4K7
R157 "" R0402 1.8,21.575 r90 bottom value=510R
R158 "" R0402 73,18.725 r0 bottom value=0R
R159 "" R0402 69.25,18.725 r0 bottom value=100K
R160 "" R0603 26.925,17.75 r90 bottom value=0R
R161 "" R0402 68.45,13.775 r270 bottom value=100K
R162 "" R0402 4.95,10.875 r270 bottom value=510R
R163 "" R0402 1.8,10.875 r270 bottom value=4K7
R164 "Resistor" R0402 88.125,6.85 r0 bottom value=10K
R165 "" R0402 51.55,9.125 r90 bottom value=0R
R166 "" R0402 37.65,8 r90 bottom value=1K5
R167 "" R0402 32.65,8 r90 bottom value=1K5
R300 "Resistor" R0402 33.125,19.875 r180 top value=10K
R302 "Resistor" R0402 53.1,17.875 r270 top value=10K
R303 "" R0402 51.8,21.475 r180 top value=1K
R304 "Resistor" R0402 58.75,18 r180 top value=10R
R600 "Resistor" R0402 60.006,47.3 r270 top value=10K
SB1 "" SOLDER-BRIDGE_R0603-0R 39.725,18.1 r90 top
SB2 "" SOLDER-BRIDGE_R0603-0R 41.125,18.1 r90 top
SB3 "" SOLDER-BRIDGE_R0603-0R 42.525,18.1 r90 top
SB4 "" SOLDER-BRIDGE_R0603-0R 43.925,18.1 r90 top
SB5 "" SOLDER-BRIDGE_R0603-0R 48.95,18.1 r270 top
SB6 "" SOLDER-BRIDGE_R0603-0R 61.225,57.525 r0 bottom
SB7 "SB_OFF" SOLDER-BRIDGE_R0603-0R 65.85,51.35 r180 bottom
SB8 "SB_OFF" SOLDER-BRIDGE_R0603-0R 65.85,49.6 r180 bottom
SB9 "" SOLDER-BRIDGE_R0603-0R 62.175,21.85 r90 bottom
SB10 "" SOLDER-BRIDGE_R0603-0R 60.775,21.85 r90 bottom
SB11 "" SOLDER-BRIDGE_R0603-0R 60.775,18.95 r90 bottom
SB12 "" SOLDER-BRIDGE_R0603-0R 62.175,18.95 r90 bottom
SB13 "" SOLDER-BRIDGE_R0603-0R 43.925,18.1 r90 bottom
SB14 "" SOLDER-BRIDGE_R0603-0R 42.525,18.1 r90 bottom
SB15 "" SOLDER-BRIDGE_R0603-0R 41.125,18.1 r90 bottom
SB16 "" SOLDER-BRIDGE_R0603-0R 39.725,18.1 r90 bottom
SB17 "" SOLDER-BRIDGE_R0603-0R 66.8,16.875 r180 bottom
SB18 "" SOLDER-BRIDGE_R0603-0R 66.8,15.375 r0 bottom
SB19 "" SOLDER-BRIDGE_R0603-0R 72,13.525 r180 bottom
SB20 "" SOLDER-BRIDGE_R0603-0R 66.8,11.975 r180 bottom
SB21 "" SOLDER-BRIDGE_R0603-0R 79.675,11.875 r0 bottom
SB22 "" SOLDER-BRIDGE_R0603-0R 66.8,10.125 r180 bottom
SB23 "SB_ON" SOLDER-BRIDGE_R0603-0R 36.425,8.55 r270 bottom
SB24 "" SOLDER-BRIDGE_R0603-0R 35.025,8.55 r270 bottom
SB25 "SB_ON" SOLDER-BRIDGE_R0603-0R 31.425,8.55 r270 bottom
SB26 "" SOLDER-BRIDGE_R0603-0R 30.025,8.55 r270 bottom
SW1 "SWITCH_2WAY" SWI_C&K_SDA02H1SBD_2POS 96.475,9.725 r0 bottom
T1 "" MOS_POWERFLAT_3P3X3P3_P065 82.85,32.375 r180 top value=STL9P3LLH6
T2 "" MOS_POWERFLAT_3P3X3P3_P065 87.35,32.375 r180 top value=STL9P3LLH6
T3 "" NPN_SOT23 70.525,6.275 r0 bottom value=SOT23
T4 "" NPN_SOT23 66.125,56.475 r90 bottom value=SOT23
TP1 "Test Point" TP_SMD_1MM 64.3,61.4 r90 top
TP2 "Test Point" TP_SMD_1MM 40.592,46.652 r180 top
TP3 "Test Point" TP_SMD_1MM 40.605,44.965 r180 top
TP4 "Test Point" TP_SMD_1MM 38.905,43.265 r180 top
TP5 "Test Point" TP_SMD_1MM 40.605,43.265 r180 top
TP6 "Test Point" TP_SMD_1MM 2.475,42.05 r90 top
TP7 "Test Point" TP_SMD_1MM 4.375,42.05 r90 top
TP8 "Test Point" TP_SMD_1MM 38.905,41.54 r180 top
TP9 "Test Point" TP_SMD_1MM 40.605,41.54 r180 top
TP10 "" TP_SMD_0-6MM 41.79,40.81 r180 top
TP11 "Test Point" TP_SMD_1MM 2.475,40.15 r90 top
TP12 "Test Point" TP_SMD_1MM 4.375,40.15 r90 top
TP13 "" TP_SMD_0-6MM 41.79,38.89 r180 top
TP14 "" TP_SMD_0-6MM 58.43,37.48 r90 top
TP15 "Test Point" TP_SMD_1MM 72.43,36.865 r90 top
TP16 "Test Point" TP_SMD_1MM 73.05,35.375 r90 top
TP17 "Test Point" TP_SMD_1MM 76.475,33.675 r90 top
TP18 "Test Point" TP_SMD_1MM 78.125,32.7 r90 top
TP19 "Test Point" TP_SMD_1MM 41.23,30.89 r90 top